# KiCad board mega65-r3-expansion-board.kicad.kicad_pcb (continued)
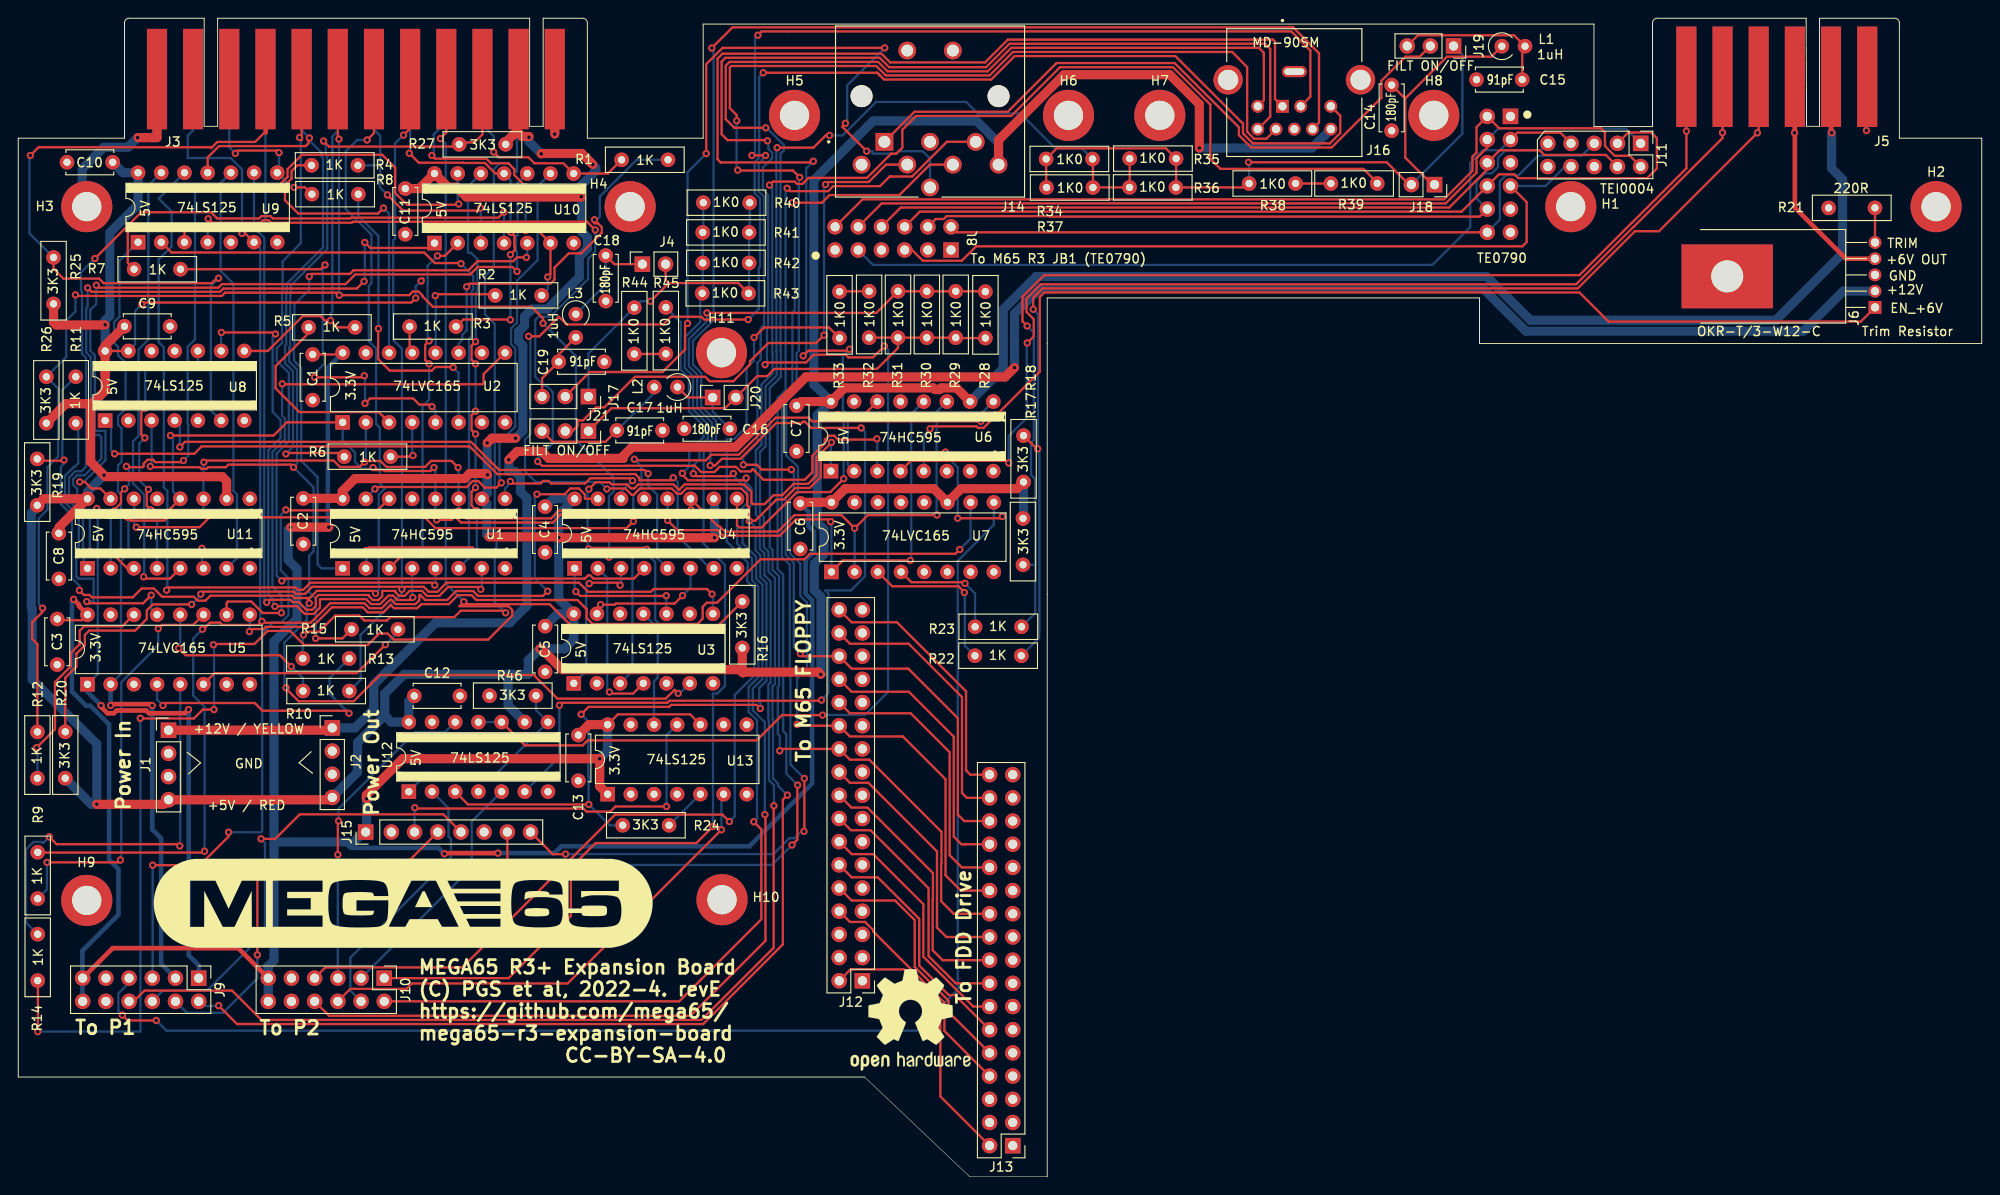
[diagram p0: board, top side]
## Nets (continued)
EXP_WDATA: J9.5 U1.14
FL_RDATA: J12.30 J13.30 J16.2
FL_WDATA: J12.22 J13.22 J16.3
FL_WGATE: J12.24 J13.24 J16.4
IEC_ATN: J3.9 R25.2 U8.6
UART_RX: J9.4 J15.4
UART_TX: J9.6 J15.5
WIFI_EN_3V3: J15.3 U13.11
WIFI_EN_5V: U6.1 U13.12
Net-(J4-Pin_1): C18.1 J4.1 L3.1
Net-(J6-Pin_5): J6.5 R21.1
Net-(J18-Pin_1): C14.1 J18.1 L1.1
Net-(J20-Pin_1): C16.1 J20.1 L2.1
Net-(R24-Pad2): R24.2 U13.5
Net-(R32-Pad1): R32.1 R33.1
Net-(R38-Pad1): R38.1 R39.1
Net-(R44-Pad1): R44.1 R45.1
Net-(R46-Pad2): R46.2 U12.1 U12.8
Net-(U1-QH'): U1.9 U4.14
Net-(U2-D0): R1.1 U2.11
Net-(U2-D1): R2.1 U2.12
Net-(U2-D2): R3.1 U2.13
Net-(U2-D3): R4.1 U2.14
Net-(U2-D4): R5.1 U2.3
Net-(U2-D5): R6.1 U2.4
Net-(U2-D6): R7.1 U2.5
Net-(U2-D7): R8.1 U2.6
Net-(U2-Q7): U2.9 U5.10
Net-(U4-QH'): U4.9 U6.14
Net-(U5-D0): R9.1 U5.11
Net-(U5-D1): R10.1 U5.12
Net-(U5-D2): R11.1 U5.13
Net-(U5-D3): R12.1 U5.14
Net-(U5-D5): R13.1 U5.4
Net-(U5-D6): R14.1 U5.5
Net-(U5-D7): R15.1 U5.6
Net-(U5-Q7): U5.9 U7.10
Net-(U7-D4): R22.1 U7.3
Net-(U7-D5): R23.1 U7.4
Net-(U11-SER): U6.9 U11.14

Pads without a net: H11 1; J3 10 11; J7 1 5 9 11; J8 1 5 9 11; J11 6 10; J12 4 6; J13 4 6; J14 7; J15 6; U2 7 10; U5 3 7; U6 6 7 15; U7 5 6 7 13 14; U8 11 12; U11 9; U13 2 3 8 9

## Via types
v1: diameter 0.8, hole 0.4, Top to Bottom, 310 vias

## Routing (per net, layer and track width the routed paths; a pad name or vN(x,y) marks a point on that pad's centre or on a via; arc(x,y) is an arc through that point)
+3V3: length 339.3
  Top w0.25: C1.1 35.34,90.08 U2.16 ; U5.16 6.98,60.97 5,60.97 ; U13.10 73.57,50.65 65.66,50.65 U13.14
  Top w0.5: J9.11 10.34,25.04 24.09,25.04 J10.11 ; U5.16 6.66,62.5 6.66,62.66 v1(6.06,63.26) ; v1(52.52,35.45) 46.73,35.45 v1(46.66,35.38)
  Top w1: C13.1 62.48,49.53 U13.14 ; R18.1 109.35,75.38 103.24,75.38 U7.11 100.24,75.38 90.54,75.38 U7.16 85.73,73.88 ; U13.1 63.67,42.77 v1(63.67,45.8) 42.1,45.8 38.12,41.81 38.12,41.43 v1(38.14,41.4) ; v1(34.01,71.16) v1(29.84,71.16)
  Bottom w0.5: v1(52.52,35.45) 58.71,35.45 59.45,36.19 80.05,36.19 86.92,43.07 86.92,55.44 86.94,55.45 86.94,63.14 86.21,63.86 86.21,67.55 87.14,68.48 87.14,70.68 86.53,71.28 86.53,72.86 C6.1 ; v1(29.84,71.16) 29.76,71.08 ; 27.32,23.04 27.38,22.98 ; U2.16 33.9,88.64 33.9,71.27 v1(34.01,71.16) ; v1(46.66,35.38) 46.01,36.03 36.74,36.03 36.44,36.33 ; v1(6.06,63.26) 5.88,63.09 5.88,53.15 7.44,51.6 7.89,51.6 9.94,49.54 9.94,34.74 10.96,33.72 10.96,28.7 7.03,24.76 7.03,19.25 J9.12
  Bottom w1: 28.01,36.33 28.35,36.68 36.09,36.68 36.44,36.33 37.87,37.76 J15.1 38.14,37.87 v1(38.14,41.4) ; 28.01,36.33 28.01,58.62 30.52,61.14 30.52,66.6 29.56,67.56 29.56,70.88 29.76,71.08 ; 28.01,36.33 28.01,23.72 27.32,23.04 ; 27.38,22.98 J10.12 ; v1(63.67,45.8) 64.53,46.66 U13.14 ; R18.1 110.08,72.18
+5V: length 724.8
  Top w0.25: v1(43.52,96.26) 43.03,95.77 13.71,95.77 v1(13.52,95.58) ; v1(44.11,98.13) 44.38,98.4 ; 35.48,74.31 U1.16 ; U8.13 U8.14 ; 22.82,76.21 22.6,76.43
  Top w0.5: 15.95,40.79 J1.4 ; 9.5,93.31 v1(9.51,93.33) ; U8.14 9.51,91.05 ; v1(9.39,76.85) 9.54,76.7 ; 4.45,71.14 C8.1 ; v1(198.56,114.36) 198.5,114.43 J5.2
  Top w1: 53.37,113.31 54.4,114.34 54.79,114.34 55.16,113.97 55.92,113.97 ; v1(76.24,70.01) 59.19,70.01 v1(59.18,70.02) 59.1,70.1 v1(51.55,70.1) ; 9.54,76.7 22.34,76.7 22.6,76.43 ; R25.1 3.87,93.6 4.16,93.31 9.5,93.31 ; v1(57.12,57.83) 57.3,57.83 59.58,55.55 79.02,55.55 79.35,55.22 ; 8.09,84.68 9.51,86.11 9.51,87.98 9.51,87.98 U8.14 ; 8.09,84.68 7.92,84.52 7.92,78.32 v1(9.39,76.85) ; 8.09,84.68 5.21,84.68 R26.1 ; U11.10 22.82,76.21 ; v1(54.45,80.91) 51.86,80.91 v1(51.35,80.39) ; v1(87.87,55.04) 87.64,55.28 79.41,55.28 79.35,55.22 ; 104.22,84.92 102.72,86.42 101.06,86.42 100.88,86.23 100.38,86.23 100.19,86.42 90.48,86.42 U6.16 85.67,84.92 ; 79.35,55.22 79.28,55.29 R16.1 ; v1(129.33,112.7) 129.33,117.5 126.1,120.73 114.5,120.73 107.34,113.57 J14.8 ; C2.1 35.48,74.31 35.48,75.09 36.87,76.49 48.87,76.49 49.43,77.04 51.23,77.04 v1(51.39,76.88) ; v1(57.26,112.06) 57.3,112.09 61.72,112.09 v1(62.92,110.89) ; v1(61.66,107.36) 61.63,107.33 49.07,107.33 48,108.4 47.07,108.4 U10.14 43.92,108.25 C11.1 ; 9.51,91.05 C9.1 ; J1.4 34.13,41.3 J2.4 ; v1(8.6,40.81) 8.62,40.79 15.95,40.79 ; R19.1 2.79,74.27 U11.16 4.45,71.14
  Bottom w0.25: v1(43.52,96.26) 43.52,97.54 v1(44.11,98.13) ; U8.13 12.8,91.21 12.8,94.86 v1(13.52,95.58)
  Bottom w0.5: 7.58,75.05 U11.16 ; v1(198.56,114.36) 198.5,114.43 J5.2 ; v1(51.39,76.88) 51.35,76.84 ; 63.23,110.58 v1(62.92,110.89)
  Bottom w1: 40.13,50.53 37.15,47.55 37.15,44.32 J2.4 ; 40.13,50.53 40.13,52.91 42.26,55.04 53.64,55.04 ; 40.13,50.53 40.85,49.81 U12.14 42.76,52.08 C12.1 ; U3.14 59.18,63.31 v1(59.18,70.02) 59.18,72.54 U4.16 58.56,74.27 C4.1 ; U3.14 60.83,58.85 59.8,57.83 v1(57.12,57.83) 55.85,56.56 55.85,55.04 53.64,55.04 ; U3.14 59.06,61.67 C5.1 ; v1(129.33,112.7) 141.66,112.7 J16.9 ; 63.23,110.58 63.23,110.2 61.66,108.63 61.66,103.56 62.31,102.91 62.31,101.66 61.44,100.78 61.44,98.56 57.93,95.05 56.26,95.05 55.44,94.23 55.44,93.24 54.79,92.59 54.79,91.53 55.25,91.07 55.25,81.71 v1(54.45,80.91) ; v1(9.39,76.85) 7.58,75.05 ; 53.64,55.04 53.64,51.64 U12.9 ; v1(198.56,114.36) 198.56,110.47 199.76,109.27 199.76,101.15 192.44,93.83 165.58,93.83 160.8,98.61 111.46,98.61 107.86,95.02 107.86,88.56 104.22,84.92 ; v1(55.92,113.87) 55.92,113.4 v1(57.26,112.06) ; R20.1 8,40.81 v1(8.6,40.81) 8.6,47.41 1.52,54.5 1.52,62.26 1.43,62.35 1.43,72.71 2.08,73.36 ; v1(76.24,70.01) 76.24,74.19 U4.10 ; v1(51.55,70.1) 51.31,70.35 51.31,73.73 U1.10 51.35,74.86 51.35,75.95 ; 51.35,75.95 51.35,76.84 ; 51.35,75.95 v1(51.35,80.39) ; v1(87.87,55.04) 87.89,55.05 87.89,63.53 87.16,64.26 87.16,67.16 88.22,68.21 88.22,70.94 87.48,71.68 87.48,83.42 U6.16 87.11,86.79 87.11,109.17 93.61,115.66 104.92,115.66 107.34,113.24 J14.8 ; U8.14 v1(9.51,93.33) 9.51,93.81 10.03,94.33 10.03,103.42 13.12,106.51 U9.14 11.47,110 C10.1
+12V_FUSED: length 228.7
  Top w1: J1.1 34.13,48.92 ; v1(53.71,78.54) 54.63,79.46 57.33,79.46 58.09,78.7 66.25,78.7 66.25,78.96 67.21,79.92 78.55,79.92 86.25,87.62 108.07,87.62 v1(109.09,88.64)
  Bottom w1: v1(109.09,88.64) 109.09,94.55 111.95,97.41 160.31,97.41 165.09,92.63 195.45,92.63 199.83,97.02 J6.2 ; J2.1 36.87,49.17 38.93,51.23 38.93,53.92 45.69,60.68 53.83,60.68 55.69,62.54 55.69,74.35 54.98,75.06 54.98,76.64 54.34,77.28 53.75,77.28 53.71,77.32 v1(53.71,78.54)
/User Port & Tape Port/6V_REG_CTL: length 121.5
  Top w0.25: J6.1 201.76,93.68 174.14,93.68 170.95,96.87 112.35,96.87 111.86,96.38 111.86,88.2 105.7,82.04 105.1,82.04 104.92,82.21 100.11,82.21 v1(99.84,81.94)
  Bottom w0.25: v1(99.84,81.94) 99.14,81.24 U6.5
GND: length 40.7
  Top w0.25: v1(58.74,114.22) 58.75,114.23 ; v1(202.37,114.62) 202.46,114.7 ; v1(13.07,113.83) 13.12,113.83 ; 15.19,115.9 J3.12
  Top w1: 15.19,115.9 15.19,113.83 13.12,113.83 ; 58.75,114.23 J3.1
  Bottom w0.25: J3.12 15.19,115.95 ; 202.46,114.7 v1(202.37,114.62) ; 58.75,114.23 v1(58.74,114.22)
  Bottom w1: J3.1 58.75,114.23 ; 15.19,115.95 15.19,114.31 14.71,113.83 v1(13.07,113.83) 12.02,112.78 9.38,112.78 7,110.41 7,106.27
1565_CLOCK_3V3: length 26.8
  Bottom w0.25: U12.5 49.65,38.91 49.65,33.87 J10.3
1565_LD_3V3: length 35.3
  Top w0.25: v1(35.07,38.97) 35,38.9 v1(35,35.28)
  Bottom w0.25: v1(35.07,38.97) 35.07,40.31 43.44,48.68 46.72,48.68 U12.12 ; v1(35,35.28) J10.5
1565_LD_5V: length 210.7
  Top w0.25: v1(88.08,50.57) 83.63,50.57 80.86,47.8 62.34,47.8 61.8,47.26 55.48,47.26 U12.10 ; v1(82.03,113.49) 81.96,113.56 77.65,113.56 77.02,114.2 77.02,122.17 77.43,122.58 94.33,122.58 95.36,121.55 105.98,121.55 108.55,124.12 136.53,124.12 137.09,123.56 137.09,116.13 J16.7 ; v1(94.83,91.01) 93.59,89.76 90.89,89.76 90.6,90.05 87.09,90.05 86.25,89.2 82.01,89.2 v1(81.77,88.97)
  Bottom w0.25: v1(88.08,50.57) 88.1,50.59 92.74,50.59 95.25,53.11 95.25,90.59 v1(94.83,91.01) ; v1(81.77,88.97) 81.98,89.17 81.98,93 82.11,93.14 82.11,107.55 81.54,108.13 81.54,110.56 82.56,111.58 82.56,112.18 82.14,112.61 82.14,113.38 v1(82.03,113.49) ; U12.11 U12.10
1565_RST: length 133.2
  Top w0.25: v1(85.95,89.93) 86.52,90.5 90.87,90.5 v1(91.02,90.65) ; v1(87.05,111.24) 86.93,111.12 76.95,111.12 76.93,111.1 76.57,111.46 76.57,122.48 77.12,123.03 94.52,123.03 95.47,122.08 105.87,122.08 108.36,124.57 137.4,124.57 137.61,124.36 137.61,118.09 J16.1
  Bottom w0.25: v1(85.95,89.93) 86.29,90.27 86.29,110.48 v1(87.05,111.24) ; U6.2 90.83,77.99 90.83,83.43 90.29,83.98 90.29,89.92 v1(91.02,90.65)
1565_SERIO_I: length 53.8
  Top w0.25: J10.6 36.36,20.58 42.5,20.58 43.09,21.18 60.16,21.18 v1(77,38.01)
  Bottom w0.25: v1(77,38.01) 77,41.67 U13.6
1565_SERIO_O: length 28.9
  Bottom w0.25: U12.2 47.11,40.38 47.11,37.28 47.38,37 47.38,35.01 36.36,23.99 36.36,20.39 J10.4
/C1565 External C65 Drive Port/CLOCK_5V: length 217.9
  Top w0.25: v1(87.95,52.22) 87.87,52.15 71.3,52.15 71.08,51.92 59.52,51.92 v1(59.25,51.65) ; J16.8 142.43,115.47 142.43,123.07 139.59,125.92 78.21,125.92 v1(75.94,123.65) ; v1(92.29,82.03) 86.81,82.03 86.14,82.71 85.94,82.71 85.81,82.58 83.01,82.58 79.08,78.65 77.04,78.65 76.31,77.92 v1(75.76,77.92)
  Bottom w0.25: v1(75.76,77.92) 75.76,79.64 76.39,80.28 76.39,82.83 74.79,84.43 74.79,88.06 73.88,88.98 73.88,91.57 76.13,93.83 76.13,123.45 v1(75.94,123.65) ; v1(59.25,51.65) 59.25,45.97 U12.6 ; v1(92.29,82.03) 92.71,81.62 92.71,65.77 91.18,64.24 88.35,64.24 88.71,63.87 88.71,52.98 v1(87.95,52.22)
/C1565 External C65 Drive Port/SERIO_5V: length 283
  Top w0.25: 94.4,120.61 94.81,120.2 106.53,120.2 109.11,122.77 126.7,122.77 134.11,115.36 134.11,114.29 135.2,113.21 143.62,113.21 144.76,114.34 144.76,116.24 J16.6 ; 94.4,120.61 94.05,120.95 ; 94.4,120.61 94.07,120.94 v1(81.57,120.94) ; U12.3 49.25,40.78 v1(62.47,40.78) ; v1(102.87,72.14) 107.56,72.14 v1(107.75,72.33) ; v1(79.92,93.91) 79.92,93.91 75.11,93.91 74.81,94.21 71.47,94.21 70.63,93.37 60.04,93.37 59.2,94.21 57.06,92.07 v1(55.89,92.07) ; v1(101.52,79.39) 88.82,79.39 87.86,78.42 87.86,76.64 86.67,75.45 85.08,75.45 83.82,74.19 83.02,74.19 80.69,71.86 v1(80.04,71.86) 80.04,73.34 79.83,73.56 79.83,74.74 79.17,75.4 73.15,75.4 72.58,74.83 72.12,74.83 71.55,75.4 68.07,75.4 67.38,74.7 67.16,74.7 66.47,75.4 64.51,75.4 v1(64.46,75.35) ; v1(61.64,50.66) 62.45,51.47 71.27,51.47 71.49,51.7 80.86,51.7 v1(81.25,51.3)
  Bottom w0.25: 62.34,40.78 v1(62.47,40.78) 64.75,38.51 R24.1 65.75,38.94 ; v1(107.75,72.33) 107.83,72.25 ; v1(55.89,92.07) 56.08,91.89 56.08,81.37 55.49,80.78 55.49,77.3 56.66,76.12 63.68,76.12 v1(64.46,75.35) ; 102.87,71.94 102.87,77.71 101.52,79.06 v1(101.52,79.39) ; 62.46,41.27 62.46,43.85 62.42,43.88 62.42,47.88 62.46,47.92 62.46,49.84 v1(61.64,50.66) ; v1(81.25,51.3) 81.25,51.9 81.14,52.01 81.14,53.55 81.93,54.33 81.93,65.03 81.25,65.71 81.25,68.1 80.74,68.61 80.74,71.15 v1(80.04,71.86) ; v1(81.57,120.94) 81.13,120.5 81.13,112.05 81.06,111.98 81.06,111.59 80.64,111.17 80.64,107.75 81.21,107.18 81.21,99.7 81.09,99.58 81.09,97.25 81.09,97.25 81.09,95.07 v1(79.92,93.91)
/Composite and component video output/CHROMA_FILTERED: length 8
  Top w0.25: J17.3 57.35,87.46 C19.1 59.17,90.07 L3.2
/Composite and component video output/CHROMA_OUT: length 92.9
  Top w0.25: J17.2 62.58,88.16 70.54,88.16 73.02,90.63 73.02,93.22 v1(73.28,93.48) ; v1(92.9,112.35) 90.26,114.99 90.26,115.1 v1(90.58,115.41) ; v1(75.33,112.09) 75.33,121.87 77.12,123.66 v1(94.87,123.66)
  Bottom w0.25: v1(90.58,115.41) 90.77,115.6 90.77,119.56 v1(94.87,123.66) ; v1(75.33,112.09) 73.28,110.05 v1(73.28,93.48) ; J14.6 99.84,111.54 99.03,112.35 96.41,112.35 96.14,112.08 93.54,112.08 93.54,112.35 v1(92.9,112.35)
/Composite and component video output/COMP_CHROMA: length 38.1
  Top w0.25: 71.23,97.9 78.84,97.9 R43.2 ; 71.23,97.9 70.88,98.25 J4.2 ; 71.23,97.9 v1(69.23,95.91)
  Bottom w0.25: J17.1 62.43,90.19 68.15,95.91 v1(69.23,95.91) ; R43.2 80.03,96.84 R42.2 R41.2 80.09,103.51 R40.2
/Composite and component video output/COMPOSITE_FILTERED: length 17.7
  Top w0.25: J19.3 153.26,125.05 163.79,125.05 L1.2 164.68,123.54 C15.1
/Composite and component video output/COMPOSITE_OUT: length 73.4
  Top w0.25: J19.2 153.45,122.7 151.9,122.7 149.26,120.06 149.26,118.2 143.81,112.76 135.01,112.76 133.66,114.11 133.66,114.97 126.62,122 113.69,122 108.35,116.66 98.13,116.66 J14.1
/Composite and component video output/COMPOSITE_UNFILTERED: length 68.7
  Top w0.25: v1(134.71,111.14) 149.84,111.14 152.4,108.59 ; R38.2 134.35,108.38 R36.2 126.78,108.4 R35.2 125.66,112.66 113.71,112.66 R34.2 112.55,108.41 R37.2
  Bottom w0.25: J19.1 158.12,122.92 158.12,114.27 J18.2 ; R38.2 134.78,111.07 v1(134.71,111.14)
/Composite and component video output/LUMA_FILTERED: length 15.6
  Top w0.25: J21.3 58.53,80.51 64.3,80.51 C17.1
  Bottom w0.25: L2.2 69.64,85.86 C17.1
/Composite and component video output/LUMA_OUT: length 60.1
  Top w0.25: v1(88.38,108.7) 88.66,108.97 93.12,108.97 95.02,110.88 J14.4 ; v1(88.23,92.2) 87.37,91.34 82.13,91.34 80.12,89.33 80.12,88.98 78.29,87.15 75.71,87.15 75.22,87.64 67.54,87.64 64.2,84.3 63.28,84.3 61.85,82.86 61.26,82.86 61.26,82.27 60.67,81.69 J21.2
  Bottom w0.25: v1(88.38,108.7) 88.23,108.55 v1(88.23,92.2)
/Composite and component video output/LUMA_UNFILTERED: length 51.5
  Top w0.25: R28.2 102.69,91.88 R29.2 R30.2 R31.2 ; R31.2 96.33,90.79 94.03,88.49 82.79,88.49 82.01,87.71 80.91,87.71 J20.2 77.4,84.19 64.94,84.19 J21.1 ; R31.2 R32.2
/Multiplexor Interconnect Bus/DIR: length 28.9
  Top w0.25: J12.18 91.24,40.44 92.98,40.44 100.15,33.27 100.15,30.37 100.13,30.35 100.13,24.81 101.22,23.73 J13.18
/Multiplexor Interconnect Bus/DRVSA: length 27.3
  Top w0.25: J13.14 104.57,18.65 99.1,24.11 99.1,29.86 93.62,35.34 91.26,35.34 J12.14
/Multiplexor Interconnect Bus/DRVSB: length 26.9
  Top w0.25: J12.12 91.26,32.8 94.11,32.8 98.65,28.26 98.65,23.14 101.89,19.9 102.56,19.9 J13.12
/Multiplexor Interconnect Bus/DSKCHG: length 29
  Top w0.25: J13.34 104.25,44.05 103.79,44.51 103.79,53.17 96.21,60.74 91.26,60.74 J12.34
/Multiplexor Interconnect Bus/INDEX: length 25.9
  Top w0.25: J13.8 101.41,15.97 101.41,19.07 93.6,26.88 93.6,27.04 92.73,27.91 91.06,27.91 J12.8
/Multiplexor Interconnect Bus/MOTEA: length 27.7
  Top w0.25: J12.10 91.26,30.26 96.01,30.26 98.17,28.11 98.17,22.99 101.86,19.29 101.86,18.06 J13.10
/Multiplexor Interconnect Bus/MOTEB: length 28.3
  Top w0.25: J12.16 91.18,37.96 93.32,37.96 99.68,31.6 99.68,24.17 102.66,21.19 J13.16
/Multiplexor Interconnect Bus/REDWC: length 30.8
  Top w0.25: J13.2 100.96,8.8 100.96,18.8 100.91,18.8 97,22.71 91.14,22.71 J12.2
/Multiplexor Interconnect Bus/SIDE1: length 30.1
  Top w0.25: J13.32 103.87,41.51 103.34,42.04 103.34,52.55 97.49,58.39 91.06,58.39 J12.32
/Multiplexor Interconnect Bus/STEP: length 28.9
  Top w0.25: J12.20 91.06,43.15 93.09,43.15 100.6,35.64 100.6,27.34 100.58,27.32 101.63,26.27 J13.20
/Multiplexor Interconnect Bus/TE0790_2: length 99
  Top w0.25: J8.2 92.45,107.08 156.11,107.08 159.23,110.19 159.23,111.76 159.68,112.21 159.68,114.99 J7.2 162.16,114.86 173.32,114.86 173.77,114.41 173.74,114.38 173.74,113.58 173.74,113.57 173.74,112.91 174.81,111.84 176.48,111.84 J11.2
/Multiplexor Interconnect Bus/TE0790_3: length 89.4
  Top w0.25: J11.7 168.86,114.38 164.15,114.38 J7.3
  Bottom w0.25: 154.45,99.9 93.61,99.9 J8.3 ; J7.3 162.22,112.45 160.37,112.45 158.99,111.07 158.99,104.03 154.85,99.9 154.37,99.9
/Multiplexor Interconnect Bus/TE0790_4: length 92.2
  Top w0.25: J7.4 160.86,112.75 159.68,111.57 159.68,110.01 156.3,106.63 94.54,106.63 J8.4
  Bottom w0.25: J7.4 162.03,114.8 176.06,114.8 J11.1
/Multiplexor Interconnect Bus/TE0790_6: length 85.2
  Top w0.25: J8.6 96.63,106.18 156.69,106.18 160.86,110.34 J7.6 162.22,112.45 163.88,112.45 163.88,112.45 166.59,112.45 167.1,111.94 173.84,111.94 J11.4
/Multiplexor Interconnect Bus/TE0790_7: length 84.2
  Top w0.25: J7.7 165.17,106.77 165.17,102.39 164.71,101.93 104.89,101.93 103.31,100.35 99.04,100.35 97.46,101.93 J8.7
  Bottom w0.25: J7.7 167.25,108.54 169.38,110.67 J11.8
/Multiplexor Interconnect Bus/TE0790_8: length 93.7
  Top w0.25: J8.8 98.72,105.73 158.04,105.73 J7.8 162.13,109.81 163.82,109.81 164.24,109.4 178.37,109.4 179.43,110.46 179.43,113.77 178.8,114.4 176.3,114.4 J11.3
/Multiplexor Interconnect Bus/TE0790_10: length 75.8
  Top w0.25: J8.10 100.45,104.92 101.33,104.92 101.65,105.24 112.94,105.24 113,105.18 160.03,105.18 J7.10
  Bottom w0.25: J7.10 159.68,107.18 159.68,109.03 160.56,109.91 161.34,109.91 162.03,110.6 162.03,111.62 162.86,112.45 166.73,112.45 J11.9
/Multiplexor Interconnect Bus/TE0790_12: length 77.2
  Top w0.25: J8.12 102.74,103.46 J7.12
  Bottom w0.25: J11.5 171.21,111.85 166.36,111.85 166.36,111.79 164.29,109.72 162.91,109.72 162.22,109.03 162.22,104.83 J7.12
/Multiplexor Interconnect Bus/TRACK0: length 30.6
  Top w0.25: J13.26 103.32,33.89 101.99,35.22 101.99,46.5 97.72,50.77 91.06,50.77 J12.26
/Multiplexor Interconnect Bus/WPT: length 30.4
  Top w0.25: J12.28 91.26,53.12 97.52,53.12 102.44,48.21 102.44,37.26 103.28,36.42 103.66,36.42 103.67,36.43 J13.28
/User Port & Tape Port/ATN_O: length 67.3
  Top w0.25: v1(68.97,77.04) 68.57,77.43 66.78,77.43 66.77,77.42 52.65,77.42 49.57,80.5 18.26,80.5 v1(17.7,79.94)
  Bottom w0.25: U8.4 17.7,82.28 v1(17.7,79.94) ; v1(68.97,77.04) 68.97,75.73 69.96,74.74 69.96,67.78 U4.5
/User Port & Tape Port/CNT1: length 204.1
  Top w0.25: R14.2 2.16,21.46 2.16,15.93 v1(2.13,15.9) ; v1(21.37,58.27) 21.46,58.36 25.86,58.36 27.29,59.79 29.77,59.79 31.31,58.25 38.26,58.25 39.52,59.51 40.45,59.51 41.11,58.85 51.46,58.85 54.09,61.48 54.09,62.08 53.67,62.5 48.31,62.5 v1(48.8,62.99) 49.05,62.73 58.18,62.73 60.81,60.1 68.39,60.1 68.67,59.82 v1(69.21,59.82) 76.09,59.82 R16.2 ; v1(46.21,113.73) 46.87,114.39 J3.4 ; v1(21.43,51.18) 20.2,51.18 19.23,50.2 13.38,50.2 v1(13.36,50.23)
  Bottom w0.25: v1(21.37,58.27) 21.45,58.19 21.45,51.19 v1(21.43,51.18) ; U3.11 69.57,60.55 69.57,60.19 v1(69.21,59.82) ; v1(46.21,113.73) 46.8,113.14 46.8,64.98 v1(48.8,62.99) ; v1(2.13,15.9) 13.38,15.9 13.38,50.21 v1(13.36,50.23)
/User Port & Tape Port/CNT1_O: length 13.9
  Top w0.25: v1(72.74,63.66) 71.88,62.8 65.44,62.8 65.31,62.67 v1(63.77,62.67)
  Bottom w0.25: U3.13 63.37,62.27 v1(63.77,62.67) ; U4.6 73.62,64.54 v1(72.74,63.66)
/User Port & Tape Port/CNT2: length 182.6
  Top w0.25: v1(38.2,113.58) 38.95,114.33 J3.6 ; v1(72.26,52.95) 71.87,53.34 70.9,52.38 59.04,52.38 56.57,54.85 56.57,54.97 39.6,54.97 36.72,52.09 30.71,52.09 29.33,53.47 v1(29.33,53.57) ; 31.6,63.4 31.91,63.4 32.69,64.18 38.85,64.18 v1(39.13,63.91) ; 31.6,63.4 30.23,63.4 29.98,63.66 21.04,63.66 20.49,63.11 19.65,63.11 19.22,63.54 15.75,63.54 14.85,64.44 13.51,64.44 12.54,63.47 8.06,63.47 7.81,63.73 7.2,63.73 v1(6.69,64.24) ; 31.6,63.4 31.86,63.14 v1(31.86,62.83) ; 2.08,78.44 4.93,78.44 v1(5.01,78.51)
  Bottom w0.25: v1(72.26,52.95) 72.42,52.95 U3.6 ; v1(29.33,53.57) 29.15,53.75 29.15,58.55 30.49,59.88 30.49,59.9 31.58,61 31.58,62.5 31.86,62.77 v1(31.86,62.83) ; v1(38.2,113.58) 37.11,113.58 35.86,112.33 35.86,106 38.67,103.19 38.67,97.88 38.39,97.6 38.39,91.53 39.18,90.73 39.18,82.47 39.58,82.07 39.58,75.95 40.13,75.4 39.48,74.74 39.48,64.26 v1(39.13,63.91) ; R11.2 4.83,86.17 4.83,78.69 v1(5.01,78.51) 5.01,78.12 4.66,77.77 4.66,73.7 5.9,72.46 5.9,65.54 6.69,64.75 v1(6.69,64.24)
/User Port & Tape Port/CNT2_O: length 18.3
  Top w0.25: U3.4 67.32,52.93 64.9,52.93 v1(64.73,53.1)
  Bottom w0.25: U4.2 64.49,65.62 64.49,53.34 v1(64.73,53.1)
/User Port & Tape Port/DATA_0: length 24.1
  Top w0.25: v1(52.07,112.26) 52.64,111.68 55.87,111.68 56.52,111.03 59.69,111.03 U10.8 64.56,109.9 R1.2
  Bottom w0.25: J3.C 50.83,115.21 52.07,113.98 v1(52.07,112.26)
/User Port & Tape Port/DATA_0_O: length 52.9
  Top w0.25: v1(39.05,75.34) 39.28,75.56 49.12,75.56 49.77,76.22 50.37,76.22 51.09,75.5 52.37,75.5 v1(52.9,76.02)
  Bottom w0.25: U10.9 56.86,108.49 56.86,100.41 54.61,98.16 54.61,93.58 53.97,92.93 53.97,91.19 54.43,90.73 54.43,82.18 52.7,80.45 52.7,76.22 v1(52.9,76.02) ; U1.15 38.06,74.35 v1(39.05,75.34)
/User Port & Tape Port/DATA_1: length 35.2
  Top w0.25: v1(45.29,111.88) 45.64,111.53 51.25,111.53 51.76,111.03 53.66,111.03 54.32,110.37 54.32,109.73 55.16,108.89 ; 55.27,108.78 55.27,108.71 v1(55.55,108.43) ; v1(55.54,103.67) 56.89,103.67 U10.6 58.27,98.87 v1(57.97,98.56)
  Bottom w0.25: J3.D 46.87,115.56 45.49,114.18 45.49,112.09 v1(45.29,111.88) ; v1(55.54,103.67) 55.54,108.43 v1(55.55,108.43) ; R2.2 57.97,97.21 v1(57.97,98.56)
/User Port & Tape Port/DATA_1_O: length 62.5
  Top w0.25: v1(55.64,100.71) 55.63,100.72 54.61,100.72 54.19,100.3 50.3,100.3 49.3,99.3 36.72,99.3 36.32,98.91 32.15,98.91 v1(31.86,98.62)
  Bottom w0.25: v1(55.64,100.71) 55.73,100.8 U10.5 ; v1(31.86,98.62) 31.86,97.17 30.24,95.55 30.24,90.79 30.19,90.74 30.19,89.41 30.98,88.62 30.98,78.43 32.78,76.63 32.78,73.66 32.78,73.66 32.78,69.97 32.78,69.97 32.78,68.32 32.78,68.32 32.78,67.08 33.2,66.65 U1.1
/User Port & Tape Port/DATA_2: length 42.5
  Top w0.25: v1(53.89,101.02) 54.38,101.51 54.38,101.86 54.32,101.92 54.32,103.09 v1(53.95,103.46) ; U10.11 52.25,109.9 51.09,111.06 48.73,111.06 48.71,111.08 43.86,111.08 v1(42.82,112.13) ; v1(53.89,93.88) 53.86,93.91 48.74,93.91 47.97,93.14 R3.2
  Bottom w0.25: v1(42.82,112.13) 42.91,112.22 J3.E ; v1(53.95,103.46) 53.9,103.52 53.9,109.2 U10.11 ; v1(53.89,101.02) v1(53.89,93.88)
/User Port & Tape Port/DATA_2_O: length 58.2
  Top w0.25: v1(50.21,72.96) 49.64,73.53 49.64,75.06 v1(50.07,75.49) ; v1(38.12,68.6) 38.47,68.95 49.74,68.95 v1(50.21,68.48) ; v1(50.07,89.05) 49.64,89.48 49.64,91.05 v1(50.07,91.48) ; v1(50.07,83.86) 49.64,83.43 49.64,81.8 v1(50.07,81.36)
  Bottom w0.25: v1(50.07,81.36) v1(50.07,75.49) ; U10.12 49.24,108.49 49.24,101.25 49.27,101.22 49.58,101.22 50.27,100.53 50.27,97.01 50.1,96.84 50.1,91.51 v1(50.07,91.48) ; v1(50.07,89.05) v1(50.07,83.86) ; v1(50.21,72.96) v1(50.21,68.48) ; U1.2 38.12,66.71 v1(38.12,68.6)
/User Port & Tape Port/DATA_3: length 30.7
  Top w0.25: v1(40.42,107.56) 42.14,105.84 50.35,105.84 v1(50.62,106.12)
  Bottom w0.25: U10.3 50.65,102.56 50.65,102.57 50.65,106.1 v1(50.62,106.12) ; 39.63,110.88 39.63,108.35 v1(40.42,107.56) ; 39.63,110.88 39.56,110.8 R4.2 ; 39.63,110.88 39.63,114.03 39.11,114.55 38.95,114.55 J3.F
/User Port & Tape Port/DATA_3_O: length 40.9
  Top w0.25: v1(44.99,91.57) 44.56,91.14 44.56,89.48 v1(44.99,89.05) ; U1.3 42.18,68.23 v1(44.16,68.23) ; v1(45.9,100.88) 46.72,100.88 U10.2
  Bottom w0.25: v1(44.16,68.23) 44.26,68.34 44.26,84.42 44.99,85.14 v1(44.99,89.05) ; v1(44.99,91.57) 44.82,91.74 44.82,97.82 44.83,97.83 44.83,98.43 44.82,98.44 44.82,99.8 v1(45.9,100.88)
/User Port & Tape Port/DATA_4: length 41.6
  Top w0.25: U8.8 27.33,90.46 31.15,94.28 33.11,94.28 33.6,93.79 v1(34.19,93.79) 34.93,93.05 R5.2
  Bottom w0.25: J3.H 34.99,114.4 34.82,114.4 34.39,113.97 34.39,112.26 ; 34.42,112.69 34.39,112.72 34.39,112.26 ; v1(34.19,93.79) 34.23,93.83 34.23,94.6 34.39,94.76 34.39,112.26
/User Port & Tape Port/DATA_4_O: length 60
  Top w0.25: v1(28.1,62.48) 28.12,62.5 30.53,62.5 31.37,61.66 32.35,61.66 33.03,62.34 33.03,63.25 33.06,63.28 38.09,63.28 38.64,62.73 39.61,62.73 40.54,63.66 41.04,63.66 41.52,63.18 42.92,63.18 v1(43.2,63.46) ; v1(22.24,92.49) 28,92.49 v1(28.17,92.32)
  Bottom w0.25: U8.9 22.21,92.47 v1(22.24,92.49) ; U1.4 43.14,63.51 v1(43.2,63.46) ; v1(28.1,62.48) 27.93,62.65 27.93,63.23 27.38,63.78 27.38,79.6 28.73,80.94 28.73,82.91 27.86,83.78 27.86,92.01 v1(28.17,92.32)
/User Port & Tape Port/DATA_5: length 65.1
  Top w0.25: R6.2 35.3,79.28 29.4,79.28 v1(29.31,79.19) ; v1(31.87,113.8) 31.69,113.61 31.78,113.52 31.78,113.22 31.48,112.91 21.99,112.91 20.74,111.66 U9.11
  Bottom w0.25: J3.J 31.03,114.64 v1(31.87,113.8) 31.87,113.53 33.22,112.18 33.22,111.76 33.38,111.59 33.38,101.82 29.4,97.84 29.4,96.87 29.34,96.81 29.34,91.16 29.21,91.03 29.21,89.11 30.08,88.25 30.08,79.96 v1(29.31,79.19)
/User Port & Tape Port/DATA_5_O: length 80.4
  Top w0.25: v1(16.25,64.26) 16.54,64.55 30.35,64.55 30.61,64.3 31.21,64.3 31.99,65.08 45.33,65.08 v1(45.61,64.8)
  Bottom w0.25: v1(45.61,64.8) 45.68,64.88 U1.5 ; v1(16.25,64.26) 16.33,64.34 16.33,75.13 15.94,75.52 15.94,90.86 15.38,91.42 15.38,100.5 16.78,101.91 16.78,105.76 15.38,107.17 U9.12
/User Port & Tape Port/DATA_6: length 37.5
  Top w0.25: 18.2,103.98 18.29,104.06 v1(27.13,104.06) ; 18.2,103.98 12.47,103.98 11.99,103.5 11.99,100.11 R7.2 ; 18.2,103.98 U9.3
  Bottom w0.25: J3.K 27.07,104.12 v1(27.13,104.06)
/User Port & Tape Port/DATA_6_O: length 68.4
  Top w0.25: v1(48.47,100.03) 48.41,100.09 45.61,100.09 44.45,101.25 16.78,101.25 U9.2
  Bottom w0.25: v1(48.47,100.03) 49.82,98.68 49.82,97.2 49.65,97.02 49.65,92.09 49.34,91.78 49.34,67.78 U1.6
/User Port & Tape Port/DATA_7: length 20.5
  Top w0.25: v1(30.2,108.38) 31.41,108.38 R8.2 ; v1(23.77,112.12) 24.08,112.42 28.32,112.42 v1(28.55,112.19)
  Bottom w0.25: J3.L 23.11,112.78 v1(23.77,112.12) ; v1(30.2,108.38) 29.97,108.38 U9.8 28.55,110.19 v1(28.55,112.19)
/User Port & Tape Port/DATA_7_O: length 77.5
  Top w0.25: v1(50.65,64.36) 50.39,64.61 47.07,64.61 46.09,63.63 44.75,63.63 44.2,64.18 42.86,64.18 42.31,63.63 41.71,63.63 41.28,64.05 41.28,64.18 39.85,64.18 39.85,63.61 39.43,63.18 38.83,63.18 38.4,63.61 38.4,63.73 32.88,63.73 32.58,63.44 32.58,62.53 32.16,62.1 31.56,62.1 30.71,62.95 30.05,62.95 29.79,63.21 27.48,63.21 v1(27.21,62.93)
  Bottom w0.25: U9.9 25.82,103.97 26.94,102.84 26.94,101.91 26.93,101.9 26.93,63.21 v1(27.21,62.93) ; v1(50.65,64.36) 50.76,64.47 U1.7
/User Port & Tape Port/EN_DATA_0: length 87.5
  Top w0.25: v1(8.55,97.67) 8.82,97.39 21.92,97.39 22.31,97.78 35.84,97.78 36.91,98.85 49.49,98.85 50.3,99.66 54.14,99.66 v1(54.61,99.19) ; v1(6.73,76.11) 6.74,76.12 7.28,76.12 8.01,75.4 9,75.4 U11.15
  Bottom w0.25: U10.10 54.68,108.85 54.68,103.16 54.5,102.99 54.5,101.44 54.61,101.32 v1(54.61,99.19) 54.77,99.19 ; v1(6.73,76.11) 7.17,76.11 9.55,78.49 9.55,81.72 8.39,81.72 8.39,90 7.88,90.5 7.88,94.95 8.55,95.61 v1(8.55,97.67)
/User Port & Tape Port/EN_DATA_1: length 87.9
  Top w0.25: v1(53.17,105.67) 52.57,105.07 36.46,105.07 36.37,104.98 27.87,104.98 27.61,105.24 26.64,105.24 26.38,104.98 21.78,104.98 21.1,105.67 13.47,105.67 v1(8.4,100.59)
  Bottom w0.25: U10.4 53.19,105.64 v1(53.17,105.67) ; v1(8.4,100.59) 6.86,99.06 6.86,97.08 6.99,96.96 6.99,90.13 7.42,89.69 7.42,77.79 6.92,77.29 6.24,77.29 5.56,76.6 5.56,74.07 7.09,72.54 7.09,68.87 7.16,68.8 7.16,67.07 U11.1
/User Port & Tape Port/EN_DATA_2: length 87.8
  Top w0.25: v1(48.23,106.57) 48.15,106.48 42.57,106.48 41.26,107.79 41.26,110.55 39.85,111.95 31.06,111.95 29.48,110.37 29.48,109.53 28.39,108.43 v1(19.36,108.43) ; v1(18.09,78.47) 17.91,78.28 15.02,78.28 14.76,78.55 14.16,78.55 13.73,78.12 13.73,77.83 13.63,77.73 11.93,77.73 v1(11.84,77.82) ; v1(11.65,75.36) 11.24,74.95 11.24,73.81 10.52,73.08 v1(10.52,72.93)
  Bottom w0.25: U11.2 10.12,72.53 v1(10.52,72.93) ; U10.13 48.11,106.69 v1(48.23,106.57) ; v1(11.84,77.82) 12.12,77.55 12.12,75.82 v1(11.65,75.36) ; v1(19.36,108.43) 19.36,91.74 18.55,90.93 18.55,82.45 18.62,82.38 18.62,78.99 v1(18.09,78.47)
/User Port & Tape Port/EN_DATA_3: length 81.4
  Top w0.25: v1(37.95,102.35) 38.55,101.75 45.04,101.75 U10.1 ; v1(7.89,68.5) 7.9,68.51 10.08,68.51 11.94,66.65 U11.3 ; v1(7.59,97.38) 8.02,96.94 22.11,96.94 22.47,97.3 37.07,97.3 v1(37.87,98.1)
  Bottom w0.25: v1(37.87,98.1) 37.95,98.18 v1(37.95,102.35) ; v1(7.89,68.5) 7.84,68.55 7.84,72.43 6.46,73.81 6.46,75.36 6.01,75.81 6.01,76.41 6.43,76.84 7.26,76.84 9.1,78.67 9.1,81.02 8.85,81.27 8.2,81.27 7.94,81.53 7.94,89.81 7.43,90.31 7.43,95.14 7.59,95.29 v1(7.59,97.38)
/User Port & Tape Port/EN_DATA_4: length 31.2
  Top w0.25: v1(13.9,88.88) 19.64,88.88 v1(19.68,88.84) ; v1(13.86,80.94) 13.47,81.34 13.47,83.78 v1(13.9,84.21) ; v1(14.25,75.3) 14.08,75.13 14.08,73.49 v1(14.51,73.06)
  Bottom w0.25: v1(14.51,73.06) 15.2,72.37 U11.4 ; v1(13.9,84.21) v1(13.9,88.88) ; v1(13.86,80.94) 13.25,80.32 13.25,76.31 v1(14.25,75.3) ; v1(19.68,88.84) 19.68,90.46 U8.10
/User Port & Tape Port/EN_DATA_5: length 50.6
  Top w0.25: U11.5 16.62,65.53 13.92,65.53 v1(13.73,65.73)
  Bottom w0.25: U9.13 14.24,108.58 14.24,91.71 13.18,90.64 13.18,81.17 12.56,80.56 12.56,75.96 13.78,74.74 13.78,65.79 v1(13.73,65.73)
/User Port & Tape Port/EN_DATA_6: length 47.6
  Top w0.25: v1(20.12,68.84) 19.73,68.45 v1(11.23,68.45)
  Bottom w0.25: U11.6 20.12,66.82 v1(20.12,68.84) ; v1(11.23,68.45) 11.24,68.47 11.24,74.74 10.93,75.06 10.93,77.93 11.31,78.32 11.31,81.99 10.93,82.38 10.93,83.31 11.75,84.13 11.75,89.18 10.93,90 10.93,90.93 10.5,91.36 10.5,93.63 11.07,94.2 11.07,100.33 U9.1
/User Port & Tape Port/EN_DATA_7: length 45
  Bottom w0.25: U9.10 22.15,108.87 22.15,99.24 23.55,97.84 23.55,75.13 23.94,74.74 23.94,67.78 U11.7
/User Port & Tape Port/EN_PA2: length 122
  Top w0.25: v1(94.02,80.84) 93.94,80.76 89.77,80.76 89.34,81.18 88.74,81.18 88.32,80.76 88.32,80.33 86.96,78.97 86.96,77.19 86.13,76.36 81.6,76.36 80.43,77.52 80.18,77.27 79.09,77.27 78.6,77.76 76.79,77.76 76.22,77.2 74.77,77.2 74.09,77.88 66.6,77.88 66.59,77.87 57.36,77.87 v1(56.88,78.36) ; v1(63.18,103.72) 62.28,104.62 36.64,104.62 36.54,104.51 27.7,104.51 27.43,104.79 26.83,104.79 26.55,104.51 21.23,104.51 v1(20.8,104.94)
  Bottom w0.25: v1(94.02,80.84) 94.06,80.8 U6.3 ; v1(20.8,104.94) 20.74,104.89 U9.4 ; v1(56.88,78.36) 56.88,78.68 58.53,80.33 58.53,85.96 57.84,86.65 57.59,86.65 56.62,87.62 56.62,93.86 56.98,94.22 58.27,94.22 62.4,98.35 62.4,100.58 63.18,101.36 v1(63.18,103.72)
/User Port & Tape Port/FLAG2: length 90
  Top w0.25: v1(53.37,61.78) 53.14,62.01 48.45,62.01 47.75,61.31 40.73,61.31 40.36,60.93 37.89,60.93 37.34,61.48 34.72,61.48 32.94,59.7 31.57,59.7 v1(31.23,59.36)
  Bottom w0.25: J3.B 54.61,120.07 54.61,110.08 53.66,111.03 52.73,111.03 52.07,110.37 52.07,99.64 51.1,98.68 51.1,95.2 51.11,95.2 51.11,94.48 52.17,93.42 52.17,70.65 52.38,70.45 52.38,68.95 52.18,68.75 52.18,62.97 v1(53.37,61.78) ; R13.2 31.15,59.29 v1(31.23,59.36)
